# KiCad board HPM6E00EnetConnectTsnRevB.kicad_pcb (continued)
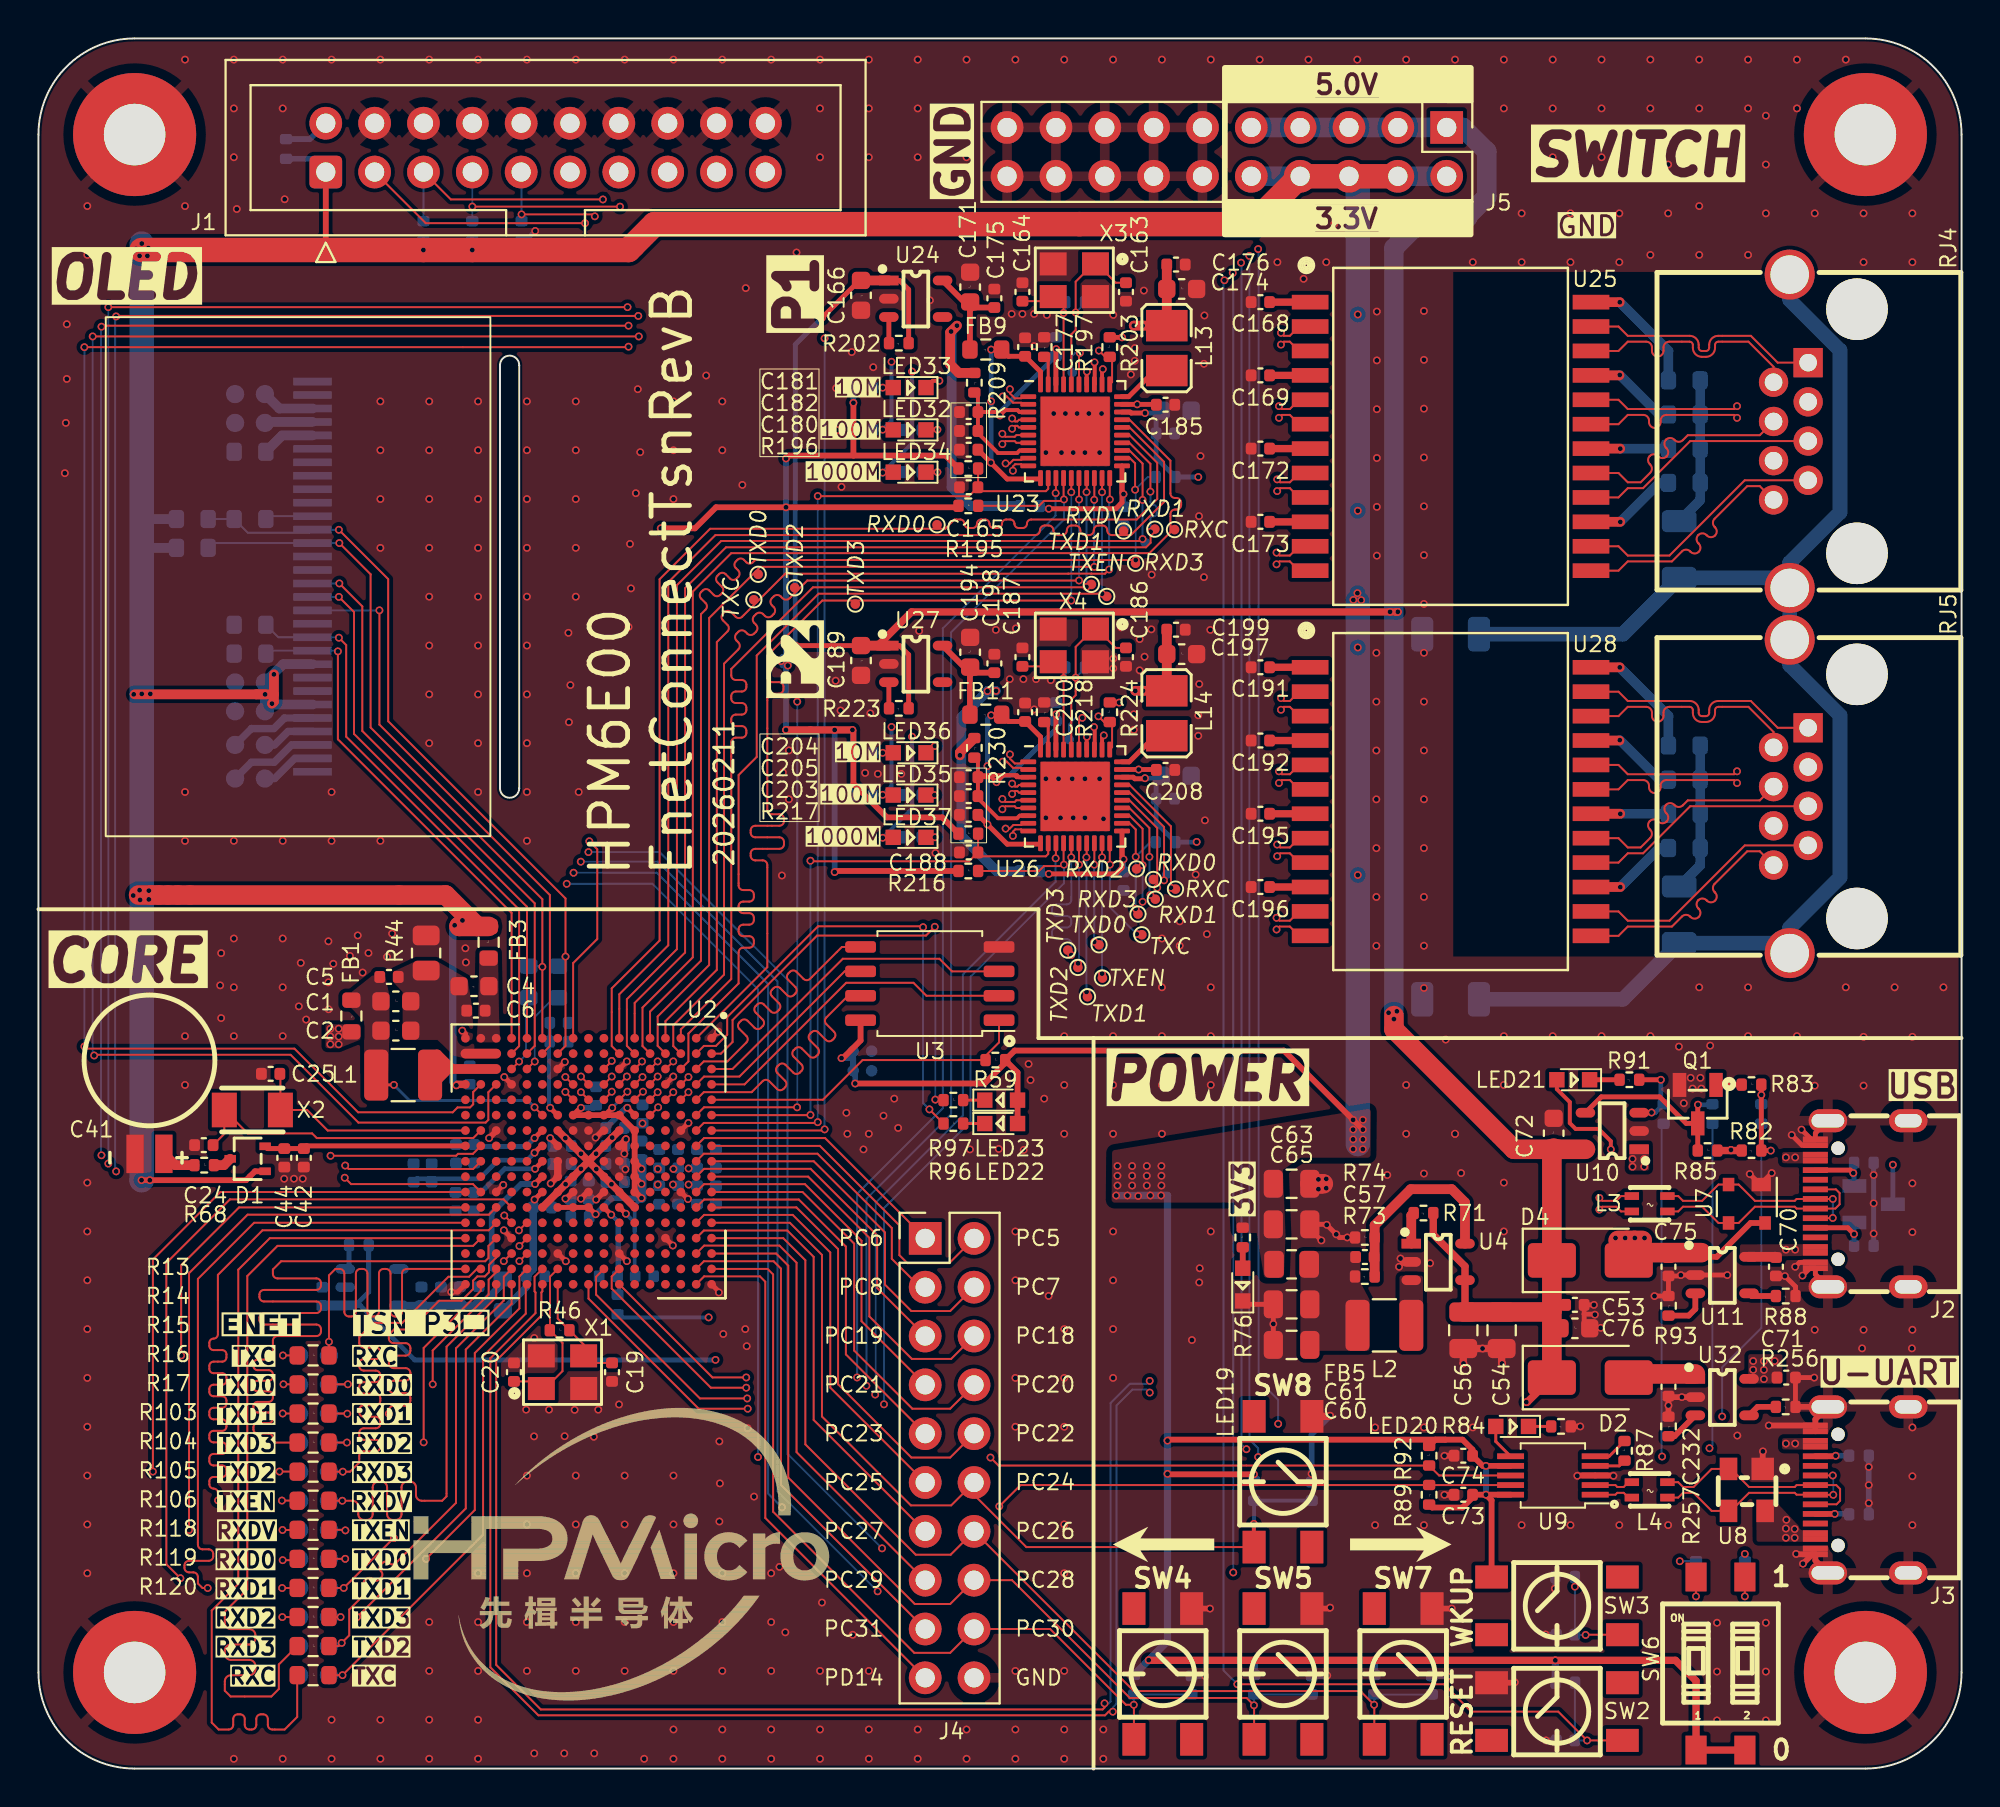
[diagram p0: board, top side]
## Routing (per net, layer and track width the routed paths; a pad name or vN(x,y) marks a point on that pad's centre or on a via; arc(x,y) is an arc through that point) (continued)
  Bottom w0.102: R119.2 15.6,6.37 v1(15.77,6.54)
/HPM6E00EnetConnectTsnRevB/PE31: length 23
  Top w0.102: v1(15.96,12.39) 15.93,12.42 R104.2 ; v1(24.2,26.4) 24.59,26.79 U2.P15
  POWER3 w0.102: v1(15.96,12.39) 17.66,12.39 21.69,16.42 21.69,16.73 arc(21.61,16.93) 21.41,17.01 21.16,17.01 arc(20.97,17.09) 20.88,17.29 20.88,17.43 arc(20.97,17.63) 21.16,17.71 21.41,17.71 arc(21.61,17.79) 21.69,17.99 21.69,18.13 arc(21.61,18.33) 21.41,18.41 21.16,18.41 arc(20.97,18.49) 20.88,18.69 20.88,18.83 arc(20.97,19.03) 21.16,19.11 21.41,19.11 arc(21.61,19.19) 21.69,19.39 21.69,23.19 24.2,25.7 v1(24.2,26.4)
  Bottom w0.102: R104.2 15.93,12.42 v1(15.96,12.39)
/HPM6E00EnetConnectTsnRevB/PF2: length 43.1
  Top w0.102: R13.1 13.45,21.49 v1(12.71,21.49) ; v1(7.42,21.49) 7.42,26.18 10.43,29.19 22.2,29.19
  POWER3 w0.102: v1(7.42,21.49) 8.11,21.49 arc(8.32,21.58) 8.41,21.79 8.41,23.4 arc(8.5,23.61) 8.71,23.7 8.86,23.7 arc(9.07,23.61) 9.16,23.4 9.16,19.58 arc(9.25,19.37) 9.46,19.28 9.61,19.28 arc(9.82,19.37) 9.91,19.58 9.91,23.4 arc(10,23.61) 10.21,23.7 10.36,23.7 arc(10.57,23.61) 10.66,23.4 10.66,19.58 arc(10.75,19.37) 10.96,19.28 11.11,19.28 arc(11.32,19.37) 11.41,19.58 11.41,21.19 arc(11.5,21.4) 11.71,21.49 v1(12.71,21.49)
/HPM6E00EnetConnectTsnRevB/PF3: length 43.1
  Top w0.102: v1(24.98,28) 25.38,28.39 U2.N13 ; v1(12.74,19.99) 13.45,19.99 R14.1
  POWER3 w0.102: v1(24.98,28) 24.57,27.58 7.33,27.58 6.27,26.52 6.27,17.17 6.56,16.88 13.99,16.88 14.32,17.21 14.32,18.16 arc(14.4,18.35) 14.58,18.42 14.61,18.42 arc(14.79,18.5) 14.87,18.68 14.87,18.81 arc(14.79,19) 14.61,19.07 14.58,19.07 arc(14.4,19.15) 14.32,19.33 14.32,19.69 14.02,19.99 v1(12.74,19.99)
/HPM6E00EnetConnectTsnRevB/PF4: length 43.1
  Top w0.102: U2.N14 25.4,27.58 v1(25.01,27.18) ; v1(12.7,18.47) 13.45,18.47 R15.1
  POWER3 w0.102: v1(25.01,27.18) 18.68,27.18 arc(18.47,27.1) 18.38,26.88 18.38,26.5 arc(18.3,26.29) 18.08,26.2 17.93,26.2 arc(17.72,26.29) 17.63,26.5 17.63,26.88 arc(17.55,27.1) 17.33,27.18 17.18,27.18 arc(16.97,27.1) 16.88,26.88 16.88,26.5 arc(16.8,26.29) 16.58,26.2 16.43,26.2 arc(16.22,26.29) 16.13,26.5 16.13,26.88 arc(16.05,27.1) 15.83,27.18 15.68,27.18 arc(15.47,27.1) 15.38,26.88 15.38,26.5 arc(15.3,26.29) 15.08,26.2 14.93,26.2 arc(14.72,26.29) 14.63,26.5 14.63,26.88 arc(14.55,27.1) 14.33,27.18 14.18,27.18 arc(13.97,27.1) 13.88,26.88 13.88,26.5 arc(13.8,26.29) 13.58,26.2 13.43,26.2 arc(13.22,26.29) 13.13,26.5 13.13,26.88 arc(13.05,27.1) 12.83,27.18 12.68,27.18 arc(12.47,27.1) 12.38,26.88 12.38,26.5 arc(12.3,26.29) 12.08,26.2 11.93,26.2 arc(11.72,26.29) 11.63,26.5 11.63,26.88 arc(11.55,27.1) 11.33,27.18 11.18,27.18 arc(10.97,27.1) 10.88,26.88 10.88,26.5 arc(10.8,26.29) 10.58,26.2 10.43,26.2 arc(10.22,26.29) 10.13,26.5 10.13,26.88 arc(10.05,27.1) 9.83,27.18 9.68,27.18 arc(9.47,27.1) 9.38,26.88 9.38,26.5 arc(9.3,26.29) 9.08,26.2 8.93,26.2 arc(8.72,26.29) 8.63,26.5 8.63,26.88 arc(8.55,27.1) 8.33,27.18 7.77,27.18 6.85,26.26 6.85,19.46 7.84,18.47 v1(12.7,18.47)
/HPM6E00EnetConnectTsnRevB/PF5: length 46
  Top w0.102: U2.R14 23.4,27.19 23.4,26.56 23.23,26.39 12.62,26.39 12.19,25.96 12.19,25.74 arc(12.26,25.57) 12.43,25.5 14.45,25.5 arc(14.62,25.43) 14.69,25.26 14.69,25.14 arc(14.62,24.97) 14.45,24.9 11.73,24.9 arc(11.56,24.83) 11.49,24.66 11.49,24.54 arc(11.56,24.37) 11.73,24.3 14.45,24.3 arc(14.62,24.23) 14.69,24.06 14.69,23.94 arc(14.62,23.77) 14.45,23.7 11.73,23.7 arc(11.56,23.63) 11.49,23.46 11.49,23.34 arc(11.56,23.17) 11.73,23.1 14.45,23.1 arc(14.62,23.03) 14.69,22.86 14.69,22.74 arc(14.62,22.57) 14.45,22.5 12.43,22.5 arc(12.26,22.43) 12.19,22.26 12.19,21.49 arc(12.13,21.34) 11.97,21.27 11.4,21.27 arc(11.24,21.21) 11.18,21.05 11.18,20.94 arc(11.24,20.79) 11.4,20.72 11.97,20.72 arc(12.13,20.66) 12.19,20.5 12.19,20.39 arc(12.13,20.24) 11.97,20.17 11.4,20.17 arc(11.24,20.11) 11.18,19.95 11.18,19.84 arc(11.24,19.69) 11.4,19.62 11.97,19.62 arc(12.13,19.56) 12.19,19.4 12.19,19.29 arc(12.13,19.14) 11.97,19.07 11.4,19.07 arc(11.24,19.01) 11.18,18.85 11.18,18.74 arc(11.24,18.59) 11.4,18.52 11.97,18.52 arc(12.13,18.46) 12.19,18.3 12.19,18.19 arc(12.13,18.04) 11.97,17.97 11.4,17.97 arc(11.24,17.91) 11.18,17.75 11.18,17.64 arc(11.24,17.49) 11.4,17.42 11.97,17.42 arc(12.13,17.36) 12.19,17.2 12.19,17.08 12.31,16.96 R16.1
/HPM6E00EnetConnectTsnRevB/PF6: length 43.1
  Top w0.102: v1(12.53,15.45) 13.45,15.45 R17.1 ; v1(5.95,15.45) 5.95,26.48 9.46,29.99 22.2,29.99
  POWER3 w0.102: v1(5.95,15.45) 6.99,15.45 arc(7.18,15.53) 7.25,15.71 7.25,16.01 arc(7.33,16.19) 7.51,16.27 7.64,16.27 arc(7.83,16.19) 7.9,16.01 7.9,14.89 arc(7.98,14.71) 8.16,14.63 8.29,14.63 arc(8.48,14.71) 8.55,14.89 8.55,16.01 arc(8.63,16.19) 8.81,16.27 8.94,16.27 arc(9.13,16.19) 9.2,16.01 9.2,14.89 arc(9.28,14.71) 9.46,14.63 9.59,14.63 arc(9.78,14.71) 9.85,14.89 9.85,16.01 arc(9.93,16.19) 10.11,16.27 10.24,16.27 arc(10.43,16.19) 10.5,16.01 10.5,15.71 arc(10.58,15.53) 10.76,15.45 v1(12.53,15.45)
/HPM6E00EnetConnectTsnRevB/PF7: length 43.1
  Top w0.102: R103.1 13.45,13.94 v1(12.66,13.94) ; v1(9.34,13.95) 9.33,13.96 9.33,14.34 arc(9.27,14.5) 9.11,14.56 arc(8.95,14.63) 8.89,14.79 8.89,14.95 arc(8.95,15.1) 9.11,15.17 9.55,15.17 arc(9.71,15.23) 9.77,15.39 9.77,15.55 arc(9.71,15.7) 9.55,15.77 9.11,15.77 arc(8.95,15.83) 8.89,15.99 8.89,16.15 arc(8.95,16.3) 9.11,16.37 9.55,16.37 arc(9.71,16.43) 9.77,16.59 9.77,16.75 arc(9.71,16.9) 9.55,16.97 9.11,16.97 arc(8.95,17.03) 8.89,17.19 8.89,17.35 arc(8.95,17.5) 9.11,17.57 9.55,17.57 arc(9.71,17.63) 9.77,17.79 9.77,17.95 arc(9.71,18.1) 9.55,18.17 9.11,18.17 arc(8.95,18.23) 8.89,18.39 8.89,18.55 arc(8.95,18.7) 9.11,18.77 9.55,18.77 arc(9.71,18.83) 9.77,18.99 9.77,19.15 arc(9.71,19.3) 9.55,19.37 9.11,19.37 arc(8.95,19.43) 8.89,19.59 8.89,19.75 arc(8.95,19.9) 9.11,19.97 9.55,19.97 arc(9.71,20.03) 9.77,20.19 9.77,20.35 arc(9.71,20.5) 9.55,20.57 9.11,20.57 arc(8.95,20.63) 8.89,20.79 8.89,20.95 arc(8.95,21.1) 9.11,21.17 9.55,21.17 arc(9.71,21.23) 9.77,21.39 9.77,21.55 arc(9.71,21.7) 9.55,21.77 9.11,21.77 arc(8.95,21.83) 8.89,21.99 8.89,22.15 arc(8.95,22.3) 9.11,22.37 arc(9.27,22.43) 9.33,22.59 9.33,25.68 11.65,28 23.41,28 U2.R13
  POWER3 w0.102: v1(12.66,13.94) 12.22,13.94 arc(12.05,14.01) 11.98,14.18 11.98,14.6 arc(11.91,14.77) 11.74,14.84 11.62,14.84 arc(11.45,14.77) 11.38,14.6 11.38,14.18 arc(11.31,14.01) 11.14,13.94 11.02,13.94 arc(10.85,14.01) 10.78,14.18 10.78,14.6 arc(10.71,14.77) 10.54,14.84 10.42,14.84 arc(10.25,14.77) 10.18,14.6 10.18,14.18 arc(10.11,14.01) 9.94,13.94 9.35,13.94 v1(9.34,13.95)
/HPM6E00EnetConnectTsnRevB/PF8: length 43.1
  Top w0.102: v1(7.83,12.41) 7.83,25.77 10.87,28.81 23.43,28.81 U2.R12 ; v1(12.69,12.41) 13.45,12.41 R104.1
  POWER3 w0.102: v1(7.83,12.41) 8.39,12.41 arc(8.58,12.33) 8.65,12.15 8.65,11.86 arc(8.73,11.68) 8.91,11.6 9.04,11.6 arc(9.23,11.68) 9.3,11.86 9.3,12.96 arc(9.38,13.14) 9.56,13.22 9.69,13.22 arc(9.88,13.14) 9.95,12.96 9.95,11.86 arc(10.03,11.68) 10.21,11.6 10.34,11.6 arc(10.53,11.68) 10.6,11.86 10.6,12.96 arc(10.68,13.14) 10.86,13.22 10.99,13.22 arc(11.18,13.14) 11.25,12.96 11.25,11.86 arc(11.33,11.68) 11.51,11.6 11.64,11.6 arc(11.83,11.68) 11.9,11.86 11.9,12.15 arc(11.98,12.33) 12.16,12.41 v1(12.69,12.41)
/HPM6E00EnetConnectTsnRevB/PF9: length 43.1
  Top w0.102: v1(24.22,28.77) 24.6,28.39 U2.P13 ; v1(12.7,10.84) 13.39,10.84 R105.1
  POWER3 w0.102: v1(12.7,10.84) 6.69,10.84 5.59,11.94 5.59,26.7 6.89,28 23.45,28 v1(24.22,28.77)
/HPM6E00EnetConnectTsnRevB/PF10: length 43.1
  Top w0.102: 22.2,28.39 11.21,28.39 8.29,25.47 8.29,11.65 arc(8.36,11.48) 8.53,11.41 8.85,11.41 arc(9.02,11.33) 9.09,11.17 9.09,11.05 arc(9.02,10.88) 8.85,10.81 7.83,10.81 arc(7.66,10.73) 7.59,10.57 7.59,10.45 arc(7.66,10.28) 7.83,10.21 8.05,10.21 arc(8.22,10.13) 8.29,9.97 8.29,9.63 8.53,9.39 v1(8.8,9.39) ; R106.1 13.45,9.39 v1(12.67,9.39)
  POWER3 w0.102: v1(12.67,9.39) 12.26,9.39 arc(12.08,9.31) 12,9.13 12,8.75 arc(11.93,8.57) 11.74,8.49 11.61,8.49 arc(11.43,8.57) 11.35,8.75 11.35,10.03 arc(11.28,10.21) 11.09,10.29 10.96,10.29 arc(10.78,10.21) 10.7,10.03 10.7,8.75 arc(10.63,8.57) 10.44,8.49 10.31,8.49 arc(10.13,8.57) 10.05,8.75 10.05,9.13 arc(9.98,9.31) 9.79,9.39 v1(8.8,9.39)
/HPM6E00EnetConnectTsnRevB/PF11: length 43.1
  Top w0.102: U2.P12 24.18,29.61 9.96,29.61 6.65,26.3 6.65,10.63 v1(7.38,9.9) ; v1(12.68,7.88) 13.45,7.88 R118.1
  POWER3 w0.102: v1(12.68,7.88) 9.4,7.88 v1(7.38,9.9)
/HPM6E00EnetConnectTsnRevB/PF12: length 46
  Top w0.102: R119.1 12.5,5.42 12.5,4.14 12.11,3.75 9.99,3.75 9.69,4.05 9.69,4.53 arc(9.78,4.76) 10.01,4.85 10.96,4.85 arc(11.19,4.95) 11.28,5.17 11.28,5.33 arc(11.19,5.56) 10.96,5.65 10.01,5.65 arc(9.78,5.75) 9.69,5.97 9.69,6.13 arc(9.78,6.36) 10.01,6.45 10.96,6.45 arc(11.19,6.55) 11.28,6.77 11.28,6.93 arc(11.19,7.16) 10.96,7.25 10.01,7.25 arc(9.78,7.35) 9.69,7.57 9.69,8.16 10.86,9.33 10.86,25.62 12.43,27.19 22.6,27.19 U2.T14
/HPM6E00EnetConnectTsnRevB/PF13: length 46
  Top w0.102: 22.2,27.59 12.03,27.59 10.39,25.95 10.39,9.6 9.01,8.22 9.01,2.39 9.37,2.03 9.89,2.03 arc(10.06,2.1) 10.13,2.27 10.13,2.58 arc(10.2,2.75) 10.37,2.82 10.49,2.82 arc(10.66,2.75) 10.73,2.58 10.73,2.27 arc(10.8,2.1) 10.97,2.03 11.09,2.03 arc(11.26,2.1) 11.33,2.27 11.33,2.58 arc(11.4,2.75) 11.57,2.82 11.69,2.82 arc(11.86,2.75) 11.93,2.58 11.93,2.27 arc(12,2.1) 12.17,2.03 12.8,2.03 13.45,2.69 R120.1
/HPM6E00EnetConnectTsnRevB/PF19: length 226.8
  Top w0.102: v1(3.28,75.01) 3.33,75.06 v1(30.68,75.06) ; U2.T8 22.59,31.98 21.82,31.98 21.72,31.88 v1(15.19,31.88)
  POWER3 w0.102: v1(86.89,16.66) 86.69,16.87 72.75,16.87 72.44,16.56 62.87,16.56 v1(62.81,16.61) ; v1(30.68,75.06) 38,75.06 41.28,78.33 v1(62.53,78.33) ; v1(3.28,31.9) 3.3,31.88 v1(15.19,31.88)
  Bottom w0.102: v1(3.28,31.9) 3.25,31.93 3.25,74.98 v1(3.28,75.01) ; v1(62.81,16.61) 62.56,16.87 62.56,78.31 v1(62.53,78.33) ; v1(86.89,16.66) 87.05,16.81 R86.2
/HPM6E00EnetConnectTsnRevB/PF20: length 225.7
  Top w0.102: v1(4.04,75.54) 4.06,75.56 v1(31.19,75.56) ; v1(15.93,30.73) 16.26,30.4 22.59,30.4 U2.T11
  POWER3 w0.102: v1(63.42,16.21) 63.5,16.13 72.26,16.13 72.75,15.65 73.99,15.65 74.57,16.23 v1(84.43,16.23) ; v1(31.19,75.56) 37.97,75.56 41.1,78.69 v1(62.97,78.69) ; v1(4.04,31.06) 4.06,31.09 15.57,31.09 v1(15.93,30.73)
  Bottom w0.102: v1(84.43,16.23) 84.4,16.26 84.4,33.44 R90.2 ; v1(4.04,75.54) 3.99,75.49 3.99,31.11 v1(4.04,31.06) ; v1(62.97,78.69) 62.97,17.12 63.42,16.66 v1(63.42,16.21)
/HPM6E00EnetConnectTsnRevB/PF22: length 226.2
  Top w0.102: v1(15.95,31.37) 16.13,31.19 22.6,31.19 U2.T9 ; v1(3.63,76.02) v1(30.63,76.02)
  POWER3 w0.102: v1(15.95,31.37) 15.85,31.47 v1(3.63,31.47) ; v1(63.42,79.04) 40.92,79.04 37.9,76.02 v1(30.63,76.02) ; v1(87.55,18.31) 68.4,18.31 67.94,17.86 64.54,17.86 v1(64.47,17.93)
  Bottom w0.102: v1(87.55,18.31) 87.55,20.88 89.59,22.91 R81.1 ; v1(64.47,17.93) 64.47,19.18 63.45,20.19 63.45,79.02 v1(63.42,79.04) ; v1(3.63,76.02) v1(3.63,31.47)
/HPM6E00EnetConnectTsnRevB/USB0_N: length 101.3
  Top w0.102: v1(81.17,29.69) 81.32,29.53 82.05,29.53 82.29,29.78 L3.3 ; v1(55.44,3.39) 55.44,3.17 55.33,3.07 26.12,3.07 23.8,5.39 23.8,21.22 26.15,23.57 26.15,24.77 26.2,24.82 26.2,25.19
  POWER3 w0.102: v1(57.78,20.17) 57.94,20.02 70.77,20.02 80.29,29.53 81.02,29.53 v1(81.17,29.69)
  Bottom w0.102: v1(57.78,20.17) 57.63,20.02 56.76,20.02 55.75,19.01 55.75,3.49 55.65,3.39 v1(55.44,3.39)
/HPM6E00EnetConnectTsnRevB/USB0_P: length 102.8
  Top w0.102: L3.2 82.29,28.98 82.05,29.23 81.32,29.23 v1(81.17,29.08) ; v1(55.87,2.96) 55.65,2.96 55.46,2.77 26,2.77 23.5,5.27 23.5,21.34 25.85,23.69 25.85,24.77 25.8,24.82 25.8,25.58 26.2,25.99
  POWER3 w0.102: v1(81.17,29.08) 81.02,29.23 80.42,29.23 70.9,19.71 57.94,19.71 v1(57.78,19.56)
  Bottom w0.102: v1(57.78,19.56) 57.63,19.71 56.88,19.71 56.06,18.89 56.06,3.37 55.87,3.17 v1(55.87,2.96)
DCDC_GND: length 1.6
  Top w0.508: U2.R2 22.2,37.19
DCDC_LP: length 5
  Top w0.508: 20.83,35.92 21.32,36.4 21.48,36.4 ; U2.R3 20.68,36.39 ; 21.48,36.4 20.74,37.15 ; 21.48,36.4 21.48,36.39
DCDC_SNS: length 9.5
  Top w0.102: 26.2,33.99 v1(25.8,34.4)
  Top w0.152: L1.1 18.07,35.56 v1(18.48,35.56)
  Bottom w0.152: v1(18.48,35.56) 19.29,34.75 25.44,34.75 v1(25.8,34.4)
VANA: length 6.6
  Top w0.254: v1(25.8,29.6) 26.19,29.99 26.2,29.99
  Bottom w0.381: C7.1 25.72,25.96 C3.1 25.37,25.04 FB2.1
Net-(C41-Pad1): length 1.8
  Top w0.508: R68.1 7.11,31.39 C41.1
Net-(C183-Pad1): length 7.8
  Bottom w0.508: C183.1 86.41,65.98 R213.1
Net-(C206-Pad1): length 7.8
  Bottom w0.508: C206.1 86.41,46.98 R234.1
Net-(D1-Pad3): length 1
  Top w0.508: R68.2 9.64,31.39 D1.3
Net-(D2-A): length 3.4
  Top w1.016: 86.16,20.53 82.76,20.53
Net-(D3-K): length 13.4
  Top w0.254: R83.2 v1(89.59,35.04) R82.1 89.59,32.15 v1(90.08,32.15)
  POWER3 w0.254: v1(96.43,31.41) 93.15,31.41 92.11,32.45 90.38,32.45 v1(90.08,32.15)
  Bottom w0.254: D3.3 v1(96.43,31.41) ; R81.2 89.59,35.04 v1(89.59,35.04)
Net-(DS1-C1N): length 4.6
  Bottom w0.381: C68.2 11.08,54.1 12.24,54.1 12.79,54.65 DS1.5
Net-(DS1-C1P): length 2.8
  Bottom w0.381: C68.1 12.28,53.25 12.98,53.95 DS1.4
Net-(DS1-C2N): length 2.9
  Bottom w0.381: C66.1 12.28,51.5 13.33,52.55 DS1.2
Net-(DS1-C2P): length 4.7
  Bottom w0.381: DS1.3 13.17,53.25 12.27,52.35 11.07,52.35 C66.2
Net-(DS1-D2): length 2.5
  Bottom w0.102: R5.2 11.98,65.15 DS1.20
Net-(DS1-IREF): length 2.8
  Bottom w0.508: DS1.26 12.68,69.35 R8.2
Net-(DS1-VCC): length 2.8
  Bottom w0.381: 12.08,71.19 C67.1
  Bottom w0.508: 12.08,71.19 12.53,70.75 DS1.28
Net-(DS1-VCOMH): length 2.5
  Bottom w0.508: C69.1 11.83,70.05 DS1.27
Net-(J1-VCC/NC): length 2.4
  Bottom w0.3: R51.1 14.11,84.76 J1.2
Net-(J2-CC1): length 3.4
  Top w0.254: J2.A5 94.08,28.13 v1(94.41,27.8)
  Bottom w0.254: D3.1 94.41,28.39 v1(94.41,27.8) R79.2
Net-(J2-CC2): length 3.3
  Top w0.254: J2.B5 94.22,31.13 v1(94.37,30.98)
  Bottom w0.254: R77.2 94.41,30.32 D3.2
Net-(J3-CC1): length 1.8
  Top w0.3: v1(93.41,13.25) 93.4,13.25 J3.A5
  Bottom w0.3: v1(93.41,13.25) 94.13,13.25 R80.2
Net-(J3-CC2): length 1.8
  Top w0.3: J3.B5 93.43,16.25 v1(93.46,16.27)
  Bottom w0.3: R78.2 94.15,16.27 v1(93.46,16.27)
Net-(LED19-A): length 1.1
  Top w0.3: R76.1 LED19.2
Net-(LED20-A): length 1.9
  Top w0.152: U9.6 75.78,17.01 LED20.2
Net-(LED20-K): length 1.2
  Top w0.152: R84.2 LED20.1
Net-(LED21-K): length 1.6
  Top w0.254: LED21.1 R91.2
Net-(LED22-K): length 1.1
  Top w0.152: R96.2 LED22.1
Net-(LED23-K): length 1.1
  Top w0.152: R97.2 LED23.1
Net-(LED32-K): length 1.4
  Top w0.203: LED32.1 46.16,69.65 v1(46.75,69.65)
  Bottom w0.203: v1(46.75,69.65) 46.73,69.64 R205.1
Net-(LED33-A): length 1.1
  Top w0.203: LED33.2 43.9,71.84 v1(43.9,71.83)
  Bottom w0.203: v1(43.9,71.83) 43.4,71.83 R204.1
Net-(LED34-K): length 1.4
  Top w0.203: v1(46.75,67.44) 46.15,67.44 LED34.1
  Bottom w0.203: R206.1 46.74,67.44 v1(46.75,67.44)
Net-(LED35-K): length 1.1
  Top w0.203: v1(46.59,50.64) LED35.1
  Bottom w0.203: v1(46.59,50.64) R226.1
Net-(LED36-A): length 1.1
  Top w0.203: v1(43.9,52.84) 43.9,52.84 LED36.2
  Bottom w0.203: v1(43.9,52.84) 43.4,52.84 R225.1
Net-(LED37-K): length 1.2
  Top w0.203: LED37.1 46.16,48.45 v1(46.62,48.45)
  Bottom w0.203: v1(46.62,48.45) R227.1
Net-(Q1-D): length 9.9
  Top w0.254: Q1.3 86.28,34.52 v1(86.29,34.53) ; Q1.3 85.68,33.56 84.3,34.94 81.27,34.94 U10.4 ; Q1.3 86.28,33.56 R85.1
  Bottom w0.254: R86.1 87.02,34.53 v1(86.29,34.53)
Net-(Q1-G): length 1.3
  Top w0.254: R83.1 88.55,35.56 Q1.1
Net-(SW6-PIN3): length 1.8
  Top w0.102: SW6.3 88.73,9.96 v1(88.73,8.96)
  Bottom w0.102: v1(88.73,8.96) 88.73,8.96 R99.1
Net-(SW6-PIN4): length 1.8
  Top w0.102: v1(86.19,8.96) 86.19,9.96 SW6.4
  Bottom w0.102: R98.1 86.19,8.96 v1(86.19,8.96)
Net-(U2C-USB0_VBUS): length 8.2
  Top w0.254: U2.H12 v1(29.78,28.81)
  Bottom w0.203: C23.1 30.11,28.48 v1(29.78,28.81) 30.19,28.4 30.19,24.72 R49.2
Net-(U2C-XTALI): length 6
  Top w0.102: C19.1 28.72,21.1 X1.3 28.35,22.06 R46.2 27,23.41 U2.L17 27.09,25.1
Net-(U2C-XTALO): length 8.8
  Top w0.102: C20.1 25.78,20.14 X1.1 26.34,19.77 27.25,20.67 27.25,22.14 R46.1 26.6,22.81 26.6,25.59 U2.L16
Net-(U2P-VDD_OTPCAP): length 7.5
  Top w0.254: v1(25.8,32.04) 26.15,32.39 26.2,32.39
  Bottom w0.254: v1(25.8,32.04) 25.41,31.65 23.9,31.65 22.94,30.68 19.68,30.68 C50.1
Net-(U2P-VDD_PHY0CAP): length 5.8
  Top w0.254: 26.19,33.19 v1(25.8,32.8)
  Bottom w0.254: C47.1 C48.1 21.81,32.37 25.36,32.37 v1(25.8,32.8)
Net-(U2P-VDD_PHY1CAP): length 5
  Top w0.254: U2.L6 26.99,33.99 v1(26.61,34.37)
  Bottom w0.203: C46.1 C45.1 26.55,37.77 26.55,34.43 v1(26.61,34.37)
Net-(U2P-VDD_PMCCAP): length 5.2
  Top w0.254: v1(25.82,31.2) 26.2,31.58 26.2,31.59
  Bottom w0.254: C51.1 23.01,29.97 24.24,31.2 v1(25.82,31.2)
Net-(U4-EN): length 1.6
  Top w0.508: U4.1 71.39,28.77 R71.2
Net-(U4-FB): length 10.6
  Top w0.508: U4.5 74.18,29.45 73.49,30.14 71.36,30.14 69.48,28.26 R74.2 R73.1
Net-(U5-EN): length 1.3
  Bottom w0.254: U5.3 16.15,26.19 R72.2
Net-(U9-~{CTS}): length 1.9
  Top w0.152: U9.5 81.68,16.25 R87.2
Net-(U9-~{RTS}): length 1.6
  Top w0.152: U9.4 82.2,15.75 R87.1
Net-(U10-FLG): length 3.9
  Top w0.254: v1(83.88,34.13) 83.87,34.11 U10.3 ; v1(84.36,35.83) 84.36,35.83 R91.1
  Bottom w0.254: v1(84.36,35.83) 84.36,34.71 R90.1 84.07,34.13 v1(83.88,34.13)
Net-(U11-EN): length 1.5
  Top w0.3: U11.4 89.09,24.58 R88.2
Net-(U11-IADJ): length 2.4
  Top w0.3: R93.2 85.81,23.56 86.16,23.91 U11.3
Net-(U11-IN): length 1.4
  Top w0.508: U11.5 90.31,26.62 C70.1
  vias: v1(90.87,31.79) v1(90.87,26.99) v1(91.35,31.79) v1(91.35,26.99)
Net-(U23-CLKOUT): length 3
  Top w0.102: U23.35 54.11,73.59 v1(54.15,73.63)
  Bottom w0.102: T65.1 53.75,73.48 53.91,73.63 v1(54.15,73.63)
Net-(U23-RBIAS): length 1.5
  Top w0.152: R197.2 52.51,73.23 U23.39
Net-(U23-XI): length 9.6
  Top w0.102: C163.1 56.02,77.29 55.04,78.27 X3.1 54.86,78.27 53.93,77.35 v1(53.93,75.75) 53.93,74.83 53.71,74.6 U23.36
  Bottom w0.102: R193.1 54.42,76.23 v1(53.93,75.75)
Net-(U23-XO): length 7.1
  Top w0.102: U23.37 v1(53.31,75.72) 53.31,76.03 X3.3 52.52,76.33 C164.1
  Bottom w0.102: v1(53.31,75.72) 53.4,75.81 R193.2
Net-(U24-EN): length 1.4
  Top w0.254: U24.3 44.22,74.16 R202.2
Net-(U24-OUT): length 5.3
  Top w0.3: C171.1 48.13,76.29 U24.5 ; C175.1 48.58,76 48.44,75.86 FB9.2
Net-(U25-MCT1): length 6.6
  Top w0.508: U25.24 82.23,76.28
  Bottom w0.508: v1(82.23,76.28) 84.76,73.75 R213.2
Net-(U25-MCT2): length 4.9
  Top w0.508: U25.21 82.21,72.47
  Bottom w0.508: R212.2 84.29,70.44 v1(82.23,72.49)
Net-(U25-MCT3): length 4
  Top w0.508: U25.18 82.25,68.66
  Bottom w0.508: v1(82.26,68.66) R211.2
Net-(U25-MCT4): length 4.9
  Top w0.508: U25.15 82.25,64.85
  Bottom w0.508: v1(82.26,64.85) 84.29,66.88 R210.2
Net-(U25-TCT1): length 2.1
  Top w0.381: C168.1 U25.1
Net-(U25-TCT2): length 2.1
  Top w0.381: C169.1 U25.4
Net-(U25-TCT4): length 2.1
  Top w0.381: C173.1 U25.10
Net-(U25-TDT3): length 2.1
  Top w0.381: C172.1 U25.7
Net-(U26-CLKOUT): length 3.3
  Top w0.102: v1(54.28,54.66) 54.11,54.49 U26.35
  Bottom w0.102: v1(54.28,54.66) 53.93,54.66 53.6,54.33 T79.1
Net-(U26-RBIAS): length 1.5
  Top w0.152: R218.2 52.51,54.23 U26.39
Net-(U26-XI): length 9.6
  Top w0.102: C186.1 56.02,58.3 55.04,59.28 X4.1 54.86,59.28 53.93,58.35 v1(53.93,56.75) 53.93,55.84 53.71,55.61 U26.36
  Bottom w0.102: v1(53.93,56.75) 54.42,57.23 R214.1
Net-(U26-XO): length 7.1
  Top w0.102: C187.1 52.52,57.34 X4.3 53.31,57.03 v1(53.31,56.72) U26.37
  Bottom w0.102: R214.2 53.4,56.82 v1(53.31,56.72)
Net-(U27-EN): length 1.4
  Top w0.254: U27.3 44.22,55.16 R223.2
Net-(U27-OUT): length 5.3
  Top w0.3: C198.1 48.58,57.01 48.44,56.87 FB11.2 ; U27.5 48.13,57.3 C194.1
Net-(U28-MCT1): length 6.6
  Top w0.508: U28.24 82.23,57.29
  Bottom w0.508: v1(82.23,57.28) 84.76,54.76 R234.2
Net-(U28-MCT2): length 4.9
  Top w0.508: U28.21 82.21,53.48
  Bottom w0.508: v1(82.23,53.5) 84.29,51.44 R233.2
Net-(U28-MCT3): length 4
  Top w0.508: U28.18 82.25,49.67
  Bottom w0.508: v1(82.26,49.66) R232.2
Net-(U28-MCT4): length 4.9
  Top w0.508: U28.15 82.25,45.86
  Bottom w0.508: v1(82.26,45.85) 84.29,47.89 R231.2
Net-(U28-TCT1): length 2.1
  Top w0.381: C191.1 U28.1
Net-(U28-TCT2): length 2.1
  Top w0.381: C192.1 U28.4
Net-(U28-TCT4): length 2.1
  Top w0.381: C196.1 U28.10
Net-(U28-TDT3): length 2.1
  Top w0.381: C195.1 U28.7
Net-(U32-EN): length 1.6
  Top w0.3: R256.2 89.39,18.81 U32.4
Net-(U32-IADJ): length 1.8
  Top w0.3: U32.3 85.07,17.29 R257.2

## Copper pours and planes (outline as drawn; the poured copper is in the pictures)
+3.3V on Top: 64.76,25.53 64.85,27.76 64.71,31.15 65.63,31.78 69.27,31.78 69.29,34.34 55.83,32.16 55.8,29.44 62.2,29.44 62.3,27.87 63.35,27.86 63.74,25.53
+3.3V on Bottom: 35.54,31.52 35.54,30.04 31.5,30.04 31.5,31.52
+3.3V on POWER3: 58.7,31.62 58.7,29.95 31.04,29.95 31.04,31.62
/HPM6E00EnetConnectTsnRevB/10-USB-BOOT-KEY-LED/VBUS_DEBUG on Top: 93.05,17.2 93.05,16.6 90.66,16.6 90.66,17.19
/HPM6E00EnetConnectTsnRevB/10-USB-BOOT-KEY-LED/VBUS_DEBUG on Top: 93.05,11.8 91.75,11.8 89.34,11.8 89.33,12.82 89.33,13.99 90.24,13.99 91.75,12.4 93.05,12.4
/HPM6E00EnetConnectTsnRevB/10-USB-BOOT-KEY-LED/VBUS_DEBUG on Top, Bottom: 90.68,20.03 88.91,20.03 88.91,21.55 90.69,21.55
/HPM6E00EnetConnectTsnRevB/10-USB-BOOT-KEY-LED/VBUS_DEBUG on Bottom: 91.96,11.8 90.66,11.8 90.66,21.55 91.96,21.55
GND on Top, Bottom, GND2: 0,0 0,90 100,90 100,0
VBUS on Top: 83.74,32.47 83.75,31.1 82.69,31.1 82.73,32.47
VBUS on Bottom: 82.73,32.47 83.74,32.47 83.95,26.43 81.45,26.43
VDD_SOC on Top: 16.75,38.72 16.75,37.92 15.64,37.47 14.93,37.47 14.93,38.72
VDD_SOC on Bottom: 29.79,30.2 29.78,34.07 27.8,34.07 27.42,34.4 17.87,34.4 16.73,38.72 14.65,38.72 14.65,32.95 22.85,32.95 23.43,32.8 27.4,32.8 27.41,30.4
DCDC_GND on Top: 18.46,41.46 19.65,42.02 20.69,42.02 22.32,41.08 22.55,39.63 22.67,37.45 22.16,36.94 21.58,37.09 21.05,37.62 20.74,37.9 18.94,37.9 18.94,40.39 18.46,40.9
DCDC_IN on Top: 22.93,42.55 23.89,42.55 23.95,39.1 24.02,37.78 22.77,37.78 22.86,39.09
DCDC_SNS on Top: 18.18,36.1 18.25,38.16 18.25,40.21 18.02,41.26 17.36,41.26 16.25,40.37 16.25,39.58 16.93,38.87 16.93,36.1
Net-(C57-Pad1) on Top: 69.23,21.73 69.23,24.37 68.74,25.29 68.74,26.91 65.62,26.91 65.62,21.73
Net-(U4-LX) on Top: 70.77,25.64 71.99,25.64 71.99,21.88 70.77,21.88
Net-(U11-IN) on Top: 93.05,32.08 93.05,31.48 90.66,31.49 90.66,32.07
Net-(U11-IN) on Top: 93.05,26.68 88.47,26.62 88.48,27.27 93.05,27.28
Net-(U11-IN) on Bottom: 91.96,26.69 90.66,26.69 90.66,32.07 91.96,32.07

## Text on the board
F.Silkscreen: PC19 | PC21 | PC23 | PC25 | PC27 | PC29 | PC31 | PD14 | PC6 | PC8 | PC5 | PC7 | PC18 | PC20 | PC22 | PC24 | PC26 | PC28 | PC30 | GND | 1000M | 100M | 10M | RXD0 | RXD1 | RXD2 | RXD3 | RXDV | TXD0 | TXD1 | TXD3 | TXD2 | TXEN | RXC | TXC | 20260211 | 3.3V | 5.0V | 1 | 0 | WKUP | RESET | 3V3 | U-UART | USB | HPM6E00 / EnetConnectTsnRevB | OLED | CORE | POWER | SWITCH | P1 | P2 | ENET | TSN P3口
